# Allegro board 600-90698-01_CYW9BTAUDIO3_REV1.0.brd (continued)
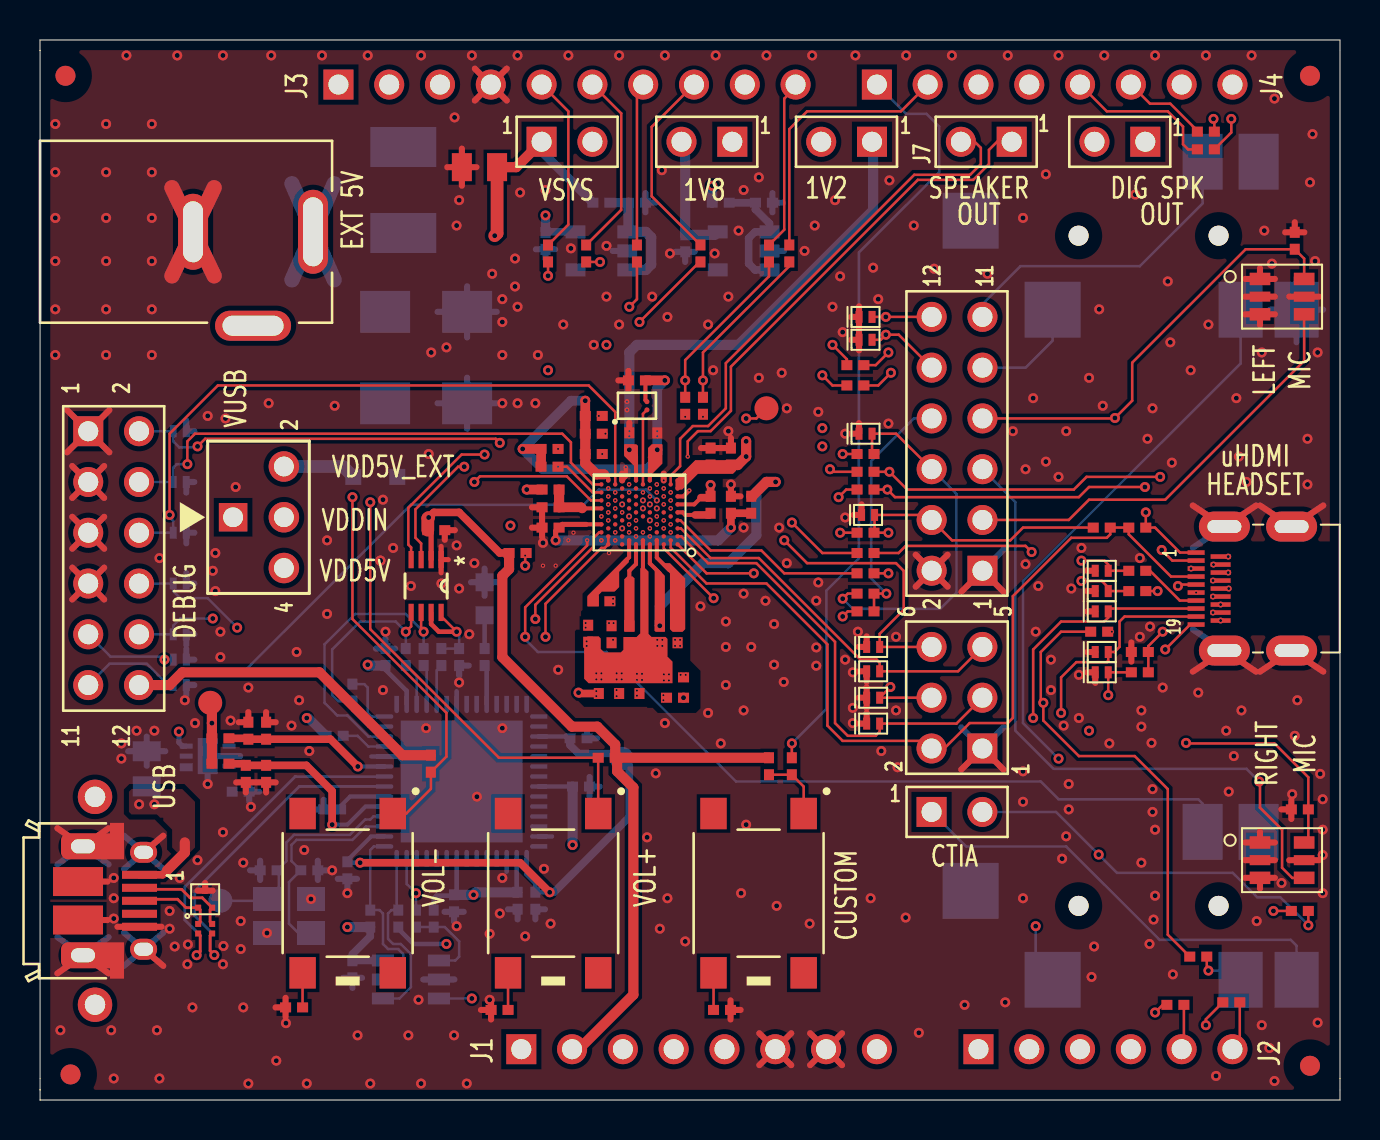
[diagram p0: board, top side]
## Nets (continued)
N16865088: F1.1 J13.1(CENTER)
N16865123: D21.A D22.C(CATHODE) D23.C(CATHODE) F1.2
N17040368: C32.1 R41.1 U5.1(VIN) U5.3(CE)
N17094850: C33.1 J16.2 U5.5(VOUT)
N17125354: J4.1 R26.1
N17128176: C34.1 R40.1 U4.1(VIN) U4.3(CE)
N17128180: C31.1 J15.2 U4.5(VOUT)
N17297536: J3.6 R21.1
N17297608: J4.5 R58.1
N17297618: J4.6 R33.1
N17375327: C4.1 R1.1 U1.K12(FLLVDD)
N17376267: C1.1 U1.B4(MICVDD)
N17376409: C9.1 C10.1 L1.2 U1.F12(AVDD2) U1.K2(AVDD1)
N17377542: C14.2 U1.E5(CP1C1A)
N17377545: C14.1 U1.D6(CP1C1B)
N17377567: C15.2 U1.C5(CP1C2A)
N17377569: C15.1 U1.B8(CP1C2B)
N17377601: C19.2 U1.E7(CP1VOUT1N)
N17377614: C20.2 U1.F8(CP1VOUT1P)
N17377656: C22.2 U1.A7(CP1VOUT2N)
N17377662: C23.2 U1.D8(CP1VOUT2P)
N17377670: C24.2 U1.F4(CP2VOUT)
N17378348: C26.2 U1.J1(VREFC)
N17378366: C17.2 U1.G7(CP2CA)
N17378368: C17.1 U1.G5(CP2CB)
N17378853: C5.2 U1.G3(IN1ALP)
N17378956: C13.2 U1.D2(IN1ARP)
N17378965: C16.2 U1.L3(IN1BLP)
N17378974: C18.2 U1.G1(IN1BRP)
N17378991: C21.2 U1.K4(IN2LP)
N17379000: C25.2 U1.F2(IN2RP)
N17385711: J5.13 R18.1
N17385713: J5.14 R17.1
N17385715: J5.18 R15.1 R16.1
N17400454: J18.2(DM) R48.1 U9.2(D-)
N17400456: J18.3(DP) R49.1 U9.1(D+)
N17400538: C36.2 C38.1 L3.2 U7.5(VPHY)
N17400544: C35.2 C37.1 L2.2 U7.9(VPLL)
N17400572: R54.2 U7.11(RESET#)
N17400576: R50.2 U7.6(REF)
N17400609: C51.1 U7.3(OSCI) Y1.1
N17400615: C52.1 TP5.1 U7.4(OSCO) Y1.3
N17400653: R51.1 R55.1 U10.1(DO)
N17400702: C46.2 R46.2 U8.7(VREF2) U8.8(EN2)
N17413060: R35.2 SW1.1(A)
N17413180: R38.2 SW2.1(A)
N17413302: R39.2 SW3.1(A)
N17418596: J2.3 R19.1
N17427442: J10.1 J19.1
N17429138: R7.2 U1.R5(AIF3BCLK/GPIO2)
N17429141: R8.2 U1.N5(AIF3LRCLK/GPIO4)
N17466599: D25.A(ANODE) R47.2
N17564941: J3.7 R23.1
N17565207: J3.8 R24.1
N17565342: J2.6 R32.1
N17565529: J2.4 R22.1
N17565615: J2.5 R30.1
N17565667: J4.2 R27.1
N17565721: J3.10 R25.1
N17565736: J3.5 R20.1

Pads without a net: J1 1 4 8; J2 1 2; J3 1 2 3 9; J4 3 4 7 8; J9 5 6; J10 5 6; J13 3; J18 4; SW1 2 3; SW2 2 3; SW3 2 3; U1 A9 C3 C9 D4 E11 F10 G9 H2 H6 H10 J3 J5 J7 K8 L7 M8 N7 N9 R7 R9; U4 4; U5 4; U6 2 4; U7 15 20 22 23 25 26 27 28 29 30 32 33 34 35 37 38 39 40 42 46 47 48 49 51 52 53 54

## Via types
v1: diameter 0.5, hole 0.25, TOP to BOTTOM, 442 vias
v2: diameter 0.22, hole 0.1, TOP to L02_SIG, 109 vias
v3: diameter 0.22, hole 0.1, L02_SIG to L03_SIG, 99 vias
v4: diameter 0.3, hole 0.15, TOP to BOTTOM, 19 vias

## Routing (per net, layer and track width the routed paths; a pad name or vN(x,y) marks a point on that pad's centre or on a via; arc(x,y) is an arc through that point)
3V3: length 29.4
  TOP w0.508: L3.1 L2.1 v1(8.6,18.86) 8.6,19.79 TP4.1
  BOTTOM w0.203: U7.36 26.63,15.69 C42.1
  BOTTOM w0.229: U7.50 20.83,10.4 C43.1 20.66,10.22 19.82,10.22 19.69,10.09 R51.2 ; U7.44 23.83,10.44 C44.1 ; C41.1 17.28,21.52 18.33,20.46 U7.16 ; R52.2 17.91,8.57 18.67,7.81 v1(20.32,7.81)
  BOTTOM w0.254: U6.3 7.12,17.71 6.94,17.89 v1(6.94,18.43)
  BOTTOM w0.381: U10.6 15.64,6.98 C50.1 15.62,7.3 16.51,8.19 R53.2
  BOTTOM w0.457: v1(13.34,19.11) 13.42,19.11 R54.1
  BOTTOM w0.508: C41.1 16.43,21.73 v1(16.39,21.78) ; v1(26.63,12.76) C42.1 ; C44.1 21.8,10.39 v1(21.68,10.27) C43.1 ; v1(15.37,8.65) R53.2
GND: length 897.5
  TOP w0.127: v1(58.42,6.47) 58.34,6.56 R56.1
  TOP w0.152: 30.15,26.4 30.15,22.97 30.06,22.88 C22.1
  TOP w0.203: U1.N1 32.17,30.2 v2(32.46,30.49) ; U1.B6 30.15,26.4 ; v3(29.29,31.66) 29.29,31.18 U1.U9 ; 33.05,30.14 32.71,29.8 U1.L1
  TOP w0.254: U8.1 20.06,27.7 ; U8.1 20.06,26.38 ; U8.1 20.41,27.04
  TOP w0.305: 22.55,4.03 R35.1 ; R35.1 22.05,4.51 ; R35.1 22.55,4.99 ; 34.53,4.03 R38.1 ; R38.1 35.03,4.51 ; R38.1 34.53,4.99 ; 25.11,29.17 C4.2 24.6,29.65 ; 35.97,1.75 J1.6 ; J1.6 37.56,3.34 ; J1.6 37.56,1.75 ; J1.6 35.97,3.34 ; 60.26,11.12 MIC1.3 ; MIC1.3 61.75,11.12 ; MIC1.3 61,10.58 ; 61,21.43 J5.M3 64.16,21.43 ; J3.4 23.34,51.6 ; J3.4 21.74,51.6 ; J3.4 21.74,50.01 ; J3.4 23.34,50.01 ; MIC1.1 61,13.42 ; MIC1.1 61.75,12.88 ; MIC1.1 60.26,12.88 ; 1.61,27.58 J12.5 ; J12.5 3.21,27.58 ; J12.5 3.21,29.18 ; J12.5 1.61,29.18 ; 41.33,20.92 D4.1 40.93,21.45 ; 0.87,6.34 J18.SH4 3.43,6.34 ; J1.7 40.1,1.75 ; J1.7 38.51,1.75 ; J1.7 38.51,3.34 ; J1.7 40.1,3.34 ; J12.3 3.21,31.72 ; J12.3 1.61,30.12 ; J12.3 3.21,30.12 ; J12.3 1.61,31.72 ; 46.06,16.53 J8.1 48.18,16.53 ; J18.SH1 6.16,13.22 ; 21.09,45.74 C30.2 ; C30.2 20.36,46.67 ; C30.2 21.82,46.67 ; C30.2 21.09,47.6 ; 0.87,13.6 J18.SH3 3.43,13.6 ; 60.26,39.31 MIC2.3 ; MIC2.3 61,38.77 ; MIC2.3 61.75,39.31 ; 63.96,12 MIC1.5 62.46,12 ; 60.26,41.08 MIC2.1 ; MIC2.1 61.75,41.08 ; MIC2.1 61,41.62 ; 11.31,15.39 C38.2 ; C38.2 11.79,15.89 ; C38.2 10.83,15.89 ; 34.07,32.62 C12.2 34.55,33.12 ; 1.61,26.64 J12.7 ; J12.7 3.21,26.64 ; J12.7 3.21,25.04 ; J12.7 1.61,25.04 ; C28.2 62.74,43.92 ; C28.2 62.26,43.41 ; C28.2 63.22,43.41 ; 3.87,8.67 J18.5 6.08,8.67 ; 41.08,29.8 D8.1 40.68,29.27 ; 48.18,25.42 J6.1 46.07,25.42 ; C36.1 10.77,15.89 ; C36.1 9.81,15.89 ; C36.1 10.29,15.39 ; 33.05,32.62 C11.2 34.01,32.62 ; 29.42,35.52 C27.2 ; C27.2 28.92,36 ; C27.2 29.42,36.48 ; 9.94,18.9 C35.1 10.42,19.41 ; 12.28,4.15 R39.1 ; R39.1 12.28,5.11 ; R39.1 11.78,4.63 ; U1.U9 29.11,31.34 ; 35.03,30.2 C9.2 34.55,30.71 ; 41.33,19.6 D2.1 ; D2.1 40.93,20.13 ; D2.1 41.33,20.66 ; D5.1 40.95,39.71 ; D5.1 40.55,39.18 ; D5.1 40.95,38.65 ; 1.36,32.4 J12.1 ; J12.1 3.47,32.4 ; J12.1 1.36,34.52 ; J12.1 3.47,34.52 ; 52.36,22.41 D10.1 ; 41.33,19.36 D3.1 40.93,18.83 ; 11.79,18.9 C37.2 11.31,19.41 ; 54.57,22.89 R15.2 54.57,21.93 ; 43.79,27.28 J6.2 ; J6.2 45.38,25.68 ; J6.2 45.38,27.28 ; J6.2 43.79,25.68 ; 61.75,12 MIC1.2 60.26,12 ; 60.8,29.74 J5.M2 57.64,29.74 ; v2(31.19,31) 31.19,31.34 ; 52.76,20.87 D13.1 52.36,21.4 ; U9.3 8.26,10.85 ; U9.3 7.88,10.47 ; U9.3 8.64,10.47 ; 41.33,23.2 D1.1 40.93,22.67 ; D6.1 40.95,38.56 ; D6.1 40.55,38.03 ; D6.1 40.95,37.51 ; 20.24,28.03 C47.2 20.74,28.51 ; 25.11,28.16 C10.2 ; C10.2 24.6,28.64 ; C10.2 25.11,29.12 ; 62.57,14.06 C29.2 ; C29.2 62.07,14.54 ; C29.2 62.57,15.02 ; 60.26,40.19 MIC2.2 61.75,40.19 ; 40.55,33.34 D7.1 40.95,33.86 ; 63.96,40.19 MIC2.5 62.46,40.19 ; 60.8,21.43 J5.M1 57.64,21.43 ; 52.36,24.45 D9.1 ; 52.36,25.46 D12.1 ; 52.36,26.48 D11.1 ; 61,29.74 J5.M4 64.16,29.74 ; J18.SH5 3.38,9.01 ; C3.2 29.47,33.88 ; J18.SH6 3.38,10.93 ; J18.SH2 6.16,6.71
  TOP w0.381: v1(33.53,30.77) C26.1 33.46,30.14 33.05,30.14
  TOP w0.762: J13.2 8.71,41.23 ; J13.2 6.6,41.23 ; J13.2 8.71,45.64 ; J13.2 6.6,45.64
  L02_SIG w0.305: J1.6 37.56,3.34 ; J1.6 35.97,1.75 ; J1.6 37.56,1.75 ; J1.6 35.97,3.34 ; 4.2,13.22 J18.SH1 ; J18.SH1 6.16,13.22 ; J18.SH1 6.16,11.56 ; J18.SH1 4.2,11.56 ; 4.2,6.71 J18.SH2 ; J18.SH2 6.16,8.37 ; J18.SH2 6.16,6.71 ; J18.SH2 4.2,8.37 ; 57.64,21.43 J5.M1 ; J5.M1 57.64,23.54 ; J5.M1 60.8,21.43 ; 21.74,51.6 J3.4 ; J3.4 23.34,50.01 ; J3.4 21.74,50.01 ; J3.4 23.34,51.6 ; 38.51,1.75 J1.7 ; J1.7 38.51,3.34 ; J1.7 40.1,1.75 ; J1.7 40.1,3.34 ; J12.3 3.21,31.72 ; J12.3 1.61,30.12 ; J12.3 1.61,31.72 ; J12.3 3.21,30.12 ; 43.79,27.28 J6.2 ; J6.2 43.79,25.68 ; J6.2 45.38,25.68 ; J6.2 45.38,27.28 ; 61,29.74 J5.M4 64.16,29.74 ; J6.1 47.92,25.68 ; J6.1 46.33,25.68 ; J6.1 47.92,27.28 ; J6.1 46.33,27.28 ; 64.16,21.43 J5.M3 61,21.43 ; J18.SH4 3.43,6.34 ; J18.SH4 3.43,8.15 ; J18.SH4 0.87,8.15 ; J18.SH4 0.87,6.34 ; J12.5 3.21,27.58 ; J12.5 1.61,29.18 ; J12.5 1.61,27.58 ; J12.5 3.21,29.18 ; 57.64,27.63 J5.M2 ; J5.M2 57.64,29.74 ; J5.M2 60.8,29.74 ; 1.61,32.66 J12.1 ; J12.1 1.61,34.26 ; J12.1 3.21,34.26 ; J12.1 3.21,32.66 ; 1.61,25.04 J12.7 ; J12.7 3.21,26.64 ; J12.7 3.21,25.04 ; J12.7 1.61,26.64 ; 46.32,18.38 J8.1 ; J8.1 47.92,16.79 ; J8.1 47.92,18.38 ; J8.1 46.32,16.79 ; 0.87,13.6 J18.SH3 ; J18.SH3 0.87,11.79 ; J18.SH3 3.43,13.6 ; J18.SH3 3.43,11.79
  L02_SIG w0.762: 6.6,45.64 J13.2 ; J13.2 6.6,41.23 ; J13.2 8.71,45.64 ; J13.2 8.71,41.23
  L03_SIG w0.127: v4(58.65,24.39) 55.31,24.39 54.35,23.43 v3(53.6,23.43)
  L03_SIG w0.305: 21.74,50.01 J3.4 ; J3.4 23.34,50.01 ; J3.4 21.74,51.6 ; J3.4 23.34,51.6 ; J1.7 40.1,1.75 ; J1.7 38.51,3.34 ; J1.7 40.1,3.34 ; J1.7 38.51,1.75 ; J8.1 47.92,16.79 ; J8.1 47.92,18.38 ; J8.1 46.32,18.38 ; J8.1 46.32,16.79 ; 1.61,34.26 J12.1 ; J12.1 1.61,32.66 ; J12.1 3.21,32.66 ; J12.1 3.21,34.26 ; 1.61,30.12 J12.3 ; J12.3 3.21,30.12 ; J12.3 3.21,31.72 ; J12.3 1.61,31.72 ; J12.5 3.21,29.18 ; J12.5 1.61,29.18 ; J12.5 1.61,27.58 ; J12.5 3.21,27.58 ; J5.M2 60.8,29.74 ; J5.M2 57.64,27.63 ; J5.M2 57.64,29.74 ; 57.64,23.54 J5.M1 ; J5.M1 60.8,21.43 ; J5.M1 57.64,21.43 ; J6.1 47.92,25.68 ; J6.1 46.33,27.28 ; J6.1 46.33,25.68 ; J6.1 47.92,27.28 ; 35.97,1.75 J1.6 ; J1.6 37.56,1.75 ; J1.6 37.56,3.34 ; J1.6 35.97,3.34 ; J18.SH3 3.43,13.6 ; J18.SH3 0.87,13.6 ; J18.SH3 3.43,11.79 ; J18.SH3 0.87,11.79 ; J18.SH1 6.16,13.22 ; J18.SH1 4.2,11.56 ; J18.SH1 6.16,11.56 ; J18.SH1 4.2,13.22 ; J18.SH4 3.43,6.34 ; J18.SH4 3.43,8.15 ; J18.SH4 0.87,6.34 ; J18.SH4 0.87,8.15 ; 64.16,21.43 J5.M3 61,21.43 ; 43.79,27.28 J6.2 ; J6.2 43.79,25.68 ; J6.2 45.38,27.28 ; J6.2 45.38,25.68 ; 1.61,25.04 J12.7 ; J12.7 3.21,26.64 ; J12.7 3.21,25.04 ; J12.7 1.61,26.64 ; 64.16,29.74 J5.M4 61,29.74 ; J18.SH2 6.16,8.37 ; J18.SH2 4.2,6.71 ; J18.SH2 4.2,8.37 ; J18.SH2 6.16,6.71
  L03_SIG w0.762: 6.6,45.64 J13.2 ; J13.2 6.6,41.23 ; J13.2 8.71,45.64 ; J13.2 8.71,41.23
  L04_SIG w0.305: 35.97,1.75 J1.6 ; J1.6 37.56,1.75 ; J1.6 35.97,3.34 ; J1.6 37.56,3.34 ; 38.51,3.34 J1.7 ; J1.7 40.1,1.75 ; J1.7 38.51,1.75 ; J1.7 40.1,3.34 ; 57.64,23.54 J5.M1 ; J5.M1 60.8,21.43 ; J5.M1 57.64,21.43 ; 43.79,25.68 J6.2 ; J6.2 45.38,27.28 ; J6.2 45.38,25.68 ; J6.2 43.79,27.28 ; J12.7 3.21,25.04 ; J12.7 1.61,25.04 ; J12.7 3.21,26.64 ; J12.7 1.61,26.64 ; J18.SH2 6.16,6.71 ; J18.SH2 4.2,8.37 ; J18.SH2 6.16,8.37 ; J18.SH2 4.2,6.71 ; J12.1 3.21,32.66 ; J12.1 1.61,34.26 ; J12.1 1.61,32.66 ; J12.1 3.21,34.26 ; 61,29.74 J5.M4 64.16,29.74 ; J18.SH3 3.43,11.79 ; J18.SH3 0.87,11.79 ; J18.SH3 3.43,13.6 ; J18.SH3 0.87,13.6 ; 1.61,29.18 J12.5 ; J12.5 3.21,27.58 ; J12.5 1.61,27.58 ; J12.5 3.21,29.18 ; 46.32,16.79 J8.1 ; J8.1 47.92,16.79 ; J8.1 47.92,18.38 ; J8.1 46.32,18.38 ; J18.SH4 3.43,6.34 ; J18.SH4 3.43,8.15 ; J18.SH4 0.87,8.15 ; J18.SH4 0.87,6.34 ; 57.64,29.74 J5.M2 ; J5.M2 60.8,29.74 ; J5.M2 57.64,27.63 ; 46.33,25.68 J6.1 ; J6.1 47.92,25.68 ; J6.1 46.33,27.28 ; J6.1 47.92,27.28 ; 1.61,30.12 J12.3 ; J12.3 3.21,30.12 ; J12.3 1.61,31.72 ; J12.3 3.21,31.72 ; 61,21.43 J5.M3 64.16,21.43 ; J18.SH1 6.16,13.22 ; J18.SH1 4.2,11.56 ; J18.SH1 6.16,11.56 ; J18.SH1 4.2,13.22 ; 21.74,50.01 J3.4 ; J3.4 21.74,51.6 ; J3.4 23.34,51.6 ; J3.4 23.34,50.01
  L04_SIG w0.762: 6.6,45.64 J13.2 ; J13.2 8.71,41.23 ; J13.2 6.6,41.23 ; J13.2 8.71,45.64
  L05_SIG w0.305: J8.1 47.92,18.38 ; J8.1 46.32,16.79 ; J8.1 46.32,18.38 ; J8.1 47.92,16.79 ; J18.SH4 3.43,6.34 ; J18.SH4 3.43,8.15 ; J18.SH4 0.87,6.34 ; J18.SH4 0.87,8.15 ; J5.M2 60.8,29.74 ; J5.M2 57.64,27.63 ; J5.M2 57.64,29.74 ; 64.16,29.74 J5.M4 61,29.74 ; J1.6 37.56,1.75 ; J1.6 35.97,1.75 ; J1.6 35.97,3.34 ; J1.6 37.56,3.34 ; 1.61,29.18 J12.5 ; J12.5 1.61,27.58 ; J12.5 3.21,29.18 ; J12.5 3.21,27.58 ; 21.74,51.6 J3.4 ; J3.4 23.34,51.6 ; J3.4 21.74,50.01 ; J3.4 23.34,50.01 ; 1.61,30.12 J12.3 ; J12.3 3.21,31.72 ; J12.3 3.21,30.12 ; J12.3 1.61,31.72 ; 1.61,26.64 J12.7 ; J12.7 1.61,25.04 ; J12.7 3.21,25.04 ; J12.7 3.21,26.64 ; J12.1 3.21,34.26 ; J12.1 1.61,34.26 ; J12.1 1.61,32.66 ; J12.1 3.21,32.66 ; J6.1 47.92,27.28 ; J6.1 46.33,27.28 ; J6.1 47.92,25.68 ; J6.1 46.33,25.68 ; J18.SH1 6.16,11.56 ; J18.SH1 4.2,13.22 ; J18.SH1 4.2,11.56 ; J18.SH1 6.16,13.22 ; 0.87,11.79 J18.SH3 ; J18.SH3 3.43,13.6 ; J18.SH3 0.87,13.6 ; J18.SH3 3.43,11.79 ; 61,21.43 J5.M3 64.16,21.43 ; J6.2 45.38,25.68 ; J6.2 43.79,27.28 ; J6.2 43.79,25.68 ; J6.2 45.38,27.28 ; 38.51,1.75 J1.7 ; J1.7 38.51,3.34 ; J1.7 40.1,1.75 ; J1.7 40.1,3.34 ; 4.2,8.37 J18.SH2 ; J18.SH2 6.16,6.71 ; J18.SH2 6.16,8.37 ; J18.SH2 4.2,6.71 ; 57.64,21.43 J5.M1 ; J5.M1 60.8,21.43 ; J5.M1 57.64,23.54
  L05_SIG w0.762: J13.2 8.71,41.23 ; J13.2 6.6,45.64 ; J13.2 8.71,45.64 ; J13.2 6.6,41.23
  L06_SIG w0.305: 43.79,27.28 J6.2 ; J6.2 45.38,27.28 ; J6.2 45.38,25.68 ; J6.2 43.79,25.68 ; 46.33,25.68 J6.1 ; J6.1 47.92,27.28 ; J6.1 46.33,27.28 ; J6.1 47.92,25.68 ; 1.61,32.66 J12.1 ; J12.1 3.21,34.26 ; J12.1 3.21,32.66 ; J12.1 1.61,34.26 ; J18.SH1 6.16,11.56 ; J18.SH1 4.2,13.22 ; J18.SH1 4.2,11.56 ; J18.SH1 6.16,13.22 ; 57.64,29.74 J5.M2 60.8,29.74 ; J1.6 37.56,1.75 ; J1.6 35.97,1.75 ; J1.6 35.97,3.34 ; J1.6 37.56,3.34 ; J18.SH2 6.16,6.71 ; J18.SH2 4.2,6.71 ; J18.SH2 4.2,8.37 ; J18.SH2 6.16,8.37 ; J8.1 47.92,16.79 ; J8.1 47.92,18.38 ; J8.1 46.32,18.38 ; J8.1 46.32,16.79 ; 1.61,26.64 J12.7 ; J12.7 3.21,26.64 ; J12.7 3.21,25.04 ; J12.7 1.61,25.04 ; J18.SH3 3.43,11.79 ; J18.SH3 0.87,13.6 ; J18.SH3 3.43,13.6 ; J18.SH3 0.87,11.79 ; J18.SH4 3.43,8.15 ; J18.SH4 0.87,6.34 ; J18.SH4 0.87,8.15 ; J18.SH4 3.43,6.34 ; J12.5 3.21,27.58 ; J12.5 1.61,29.18 ; J12.5 3.21,29.18 ; J12.5 1.61,27.58 ; J1.7 40.1,1.75 ; J1.7 38.51,1.75 ; J1.7 40.1,3.34 ; J1.7 38.51,3.34 ; 61,21.43 J5.M3 64.16,21.43 ; 57.64,21.43 J5.M1 60.8,21.43 ; J12.3 3.21,31.72 ; J12.3 1.61,30.12 ; J12.3 3.21,30.12 ; J12.3 1.61,31.72 ; J3.4 23.34,51.6 ; J3.4 23.34,50.01 ; J3.4 21.74,51.6 ; J3.4 21.74,50.01 ; 61,29.74 J5.M4 64.16,29.74
  L06_SIG w0.762: 6.6,41.23 J13.2 ; J13.2 8.71,41.23 ; J13.2 6.6,45.64 ; J13.2 8.71,45.64
  L07-SIG w0.305: J12.7 3.21,26.64 ; J12.7 3.21,25.04 ; J12.7 1.61,26.64 ; J12.7 1.61,25.04 ; 64.16,21.43 J5.M3 61,21.43 ; J12.5 3.21,27.58 ; J12.5 1.61,27.58 ; J12.5 1.61,29.18 ; J12.5 3.21,29.18 ; J18.SH2 6.16,6.71 ; J18.SH2 4.2,8.37 ; J18.SH2 4.2,6.71 ; J18.SH2 6.16,8.37 ; 35.97,3.34 J1.6 ; J1.6 37.56,1.75 ; J1.6 35.97,1.75 ; J1.6 37.56,3.34 ; J6.2 45.38,25.68 ; J6.2 43.79,27.28 ; J6.2 43.79,25.68 ; J6.2 45.38,27.28 ; J18.SH1 6.16,13.22 ; J18.SH1 6.16,11.56 ; J18.SH1 4.2,11.56 ; J18.SH1 4.2,13.22 ; 46.32,16.79 J8.1 ; J8.1 46.32,18.38 ; J8.1 47.92,16.79 ; J8.1 47.92,18.38 ; J1.7 40.1,1.75 ; J1.7 40.1,3.34 ; J1.7 38.51,1.75 ; J1.7 38.51,3.34 ; 0.87,8.15 J18.SH4 ; J18.SH4 3.43,8.15 ; J18.SH4 3.43,6.34 ; J18.SH4 0.87,6.34 ; J18.SH3 3.43,11.79 ; J18.SH3 3.43,13.6 ; J18.SH3 0.87,11.79 ; J18.SH3 0.87,13.6 ; J5.M1 60.8,21.43 ; J5.M1 57.64,23.54 ; J5.M1 57.64,21.43 ; 1.61,32.66 J12.1 ; J12.1 1.61,34.26 ; J12.1 3.21,32.66 ; J12.1 3.21,34.26 ; 46.33,25.68 J6.1 ; J6.1 46.33,27.28 ; J6.1 47.92,27.28 ; J6.1 47.92,25.68 ; J3.4 23.34,50.01 ; J3.4 23.34,51.6 ; J3.4 21.74,51.6 ; J3.4 21.74,50.01 ; J12.3 3.21,30.12 ; J12.3 1.61,31.72 ; J12.3 1.61,30.12 ; J12.3 3.21,31.72 ; 64.16,29.74 J5.M4 61,29.74 ; 57.64,29.74 J5.M2 ; J5.M2 57.64,27.63 ; J5.M2 60.8,29.74
  L07-SIG w0.762: J13.2 8.71,45.64 ; J13.2 6.6,45.64 ; J13.2 8.71,41.23 ; J13.2 6.6,41.23
  BOTTOM w0.127: J10.4 59.57,6.47 v1(58.42,6.47)
  BOTTOM w0.229: U7.45 23.33,11.43 ; 16.57,17.19 U7.10 17.91,17.19 19.16,15.94 U7.57 21.09,18.22 20.83,18.47 U7.21 20.83,20.45 ; U7.41 25.6,13.19
  BOTTOM w0.305: 61.5,39.54 J9.1 ; J9.1 62.83,41.17 ; J9.1 62.83,37.91 ; J9.1 64.16,39.54 ; 5.34,16.72 C48.2 ; C48.2 4.41,17.45 ; C48.2 5.34,18.18 ; C48.2 6.27,17.45 ; C32.2 36.62,45.37 ; C32.2 37.13,44.89 ; C32.2 36.62,44.41 ; 31.78,42.44 C33.2 ; C33.2 32.74,42.44 ; C33.2 32.26,41.93 ; C34.2 30.27,45.37 ; C34.2 30.27,44.41 ; C34.2 30.78,44.89 ; C51.2 14.39,11.49 ; C51.2 13.89,11.97 ; C51.2 13.89,11.01 ; J12.1 3.47,32.4 ; J12.1 1.36,32.4 ; J12.1 3.47,34.52 ; J12.1 1.36,34.52 ; J18.SH3 3.43,13.6 ; J18.SH3 0.87,13.6 ; J18.SH3 0.87,11.79 ; J18.SH3 3.43,11.79 ; 48.18,27.54 J6.1 48.18,25.42 ; D25.C 22.91,25.91 ; D25.C 21.55,25.91 ; D25.C 22.23,26.59 ; D25.C 22.23,25.23 ; J18.SH1 6.16,13.22 ; J18.SH1 4.2,13.22 ; J18.SH1 4.2,11.56 ; J18.SH1 6.16,11.56 ; 27.48,15.2 C42.2 ; C42.2 27.98,15.68 ; C42.2 27.48,16.16 ; 43.79,25.68 J6.2 ; J6.2 45.38,27.28 ; J6.2 45.38,25.68 ; J6.2 43.79,27.28 ; 1.61,30.12 J12.3 ; J12.3 3.21,31.72 ; J12.3 1.61,31.72 ; J12.3 3.21,30.12 ; 57.64,21.43 J5.M1 ; J5.M1 57.64,23.54 ; J5.M1 60.8,21.43 ; D22.A 21.36,40.71 ; D22.A 21.36,38.15 ; D22.A 22.84,39.43 ; D22.A 19.88,39.43 ; 19.88,34.86 D23.A ; D23.A 22.84,34.86 ; D23.A 21.36,36.14 ; D23.A 21.36,33.58 ; 20.72,6.03 U10.2 19.17,6.03 ; 25.25,9.54 C49.1 24.77,9.04 ; 57.64,29.74 J5.M2 ; J5.M2 57.64,27.63 ; J5.M2 60.8,29.74 ; 35.97,3.34 J1.6 ; J1.6 35.97,1.75 ; J1.6 37.56,1.75 ; J1.6 37.56,3.34 ; 14.89,11.07 C39.2 ; C39.2 15.85,11.07 ; C39.2 15.37,10.56 ; C43.2 21.18,9.42 ; C43.2 20.23,9.42 ; C43.2 20.7,8.91 ; J18.SH2 6.16,8.37 ; J18.SH2 4.2,8.37 ; J18.SH2 6.16,6.71 ; J18.SH2 4.2,6.71 ; J12.5 3.21,27.58 ; J12.5 1.61,29.18 ; J12.5 1.61,27.58 ; J12.5 3.21,29.18 ; 46.06,16.53 J8.1 ; J8.1 48.18,16.53 ; J8.1 46.06,18.64 ; J8.1 48.18,18.64 ; 61,21.43 J5.M3 64.16,21.43 ; C41.2 17.75,22.58 ; C41.2 16.8,22.58 ; C41.2 17.28,23.09 ; 10.5,11.49 C52.2 ; C52.2 11.01,11.97 ; C52.2 11.01,11.01 ; 7.31,27.85 D18.1 ; D18.1 7.31,28.91 ; D18.1 7.72,28.38 ; 61,29.74 J5.M4 64.16,29.74 ; 7.31,22.77 D16.1 7.72,23.3 ; C31.2 25.76,42.56 ; C31.2 24.8,42.56 ; C31.2 25.28,42.06 ; 7.31,22.56 D14.1 7.72,22.03 ; 7.31,33.99 D20.1 7.72,33.46 ; 20.96,21.23 C46.1 21.44,21.73 ; 15.62,5.61 C50.2 ; C50.2 16.1,6.11 ; C50.2 15.15,6.11 ; 10.01,17.21 U6.5 8.9,17.21 ; 13.68,14.54 R50.1 14.18,15.02 ; J3.4 23.34,51.6 ; J3.4 21.74,50.01 ; J3.4 23.34,50.01 ; J3.4 21.74,51.6 ; 7.72,20.76 D15.1 7.31,20.23 ; J12.7 3.21,26.64 ; J12.7 1.61,25.04 ; J12.7 3.21,25.04 ; J12.7 1.61,26.64 ; J18.SH4 3.43,6.34 ; J18.SH4 3.43,8.15 ; J18.SH4 0.87,6.34 ; J18.SH4 0.87,8.15 ; 10.46,14.94 C45.2 ; C45.2 10.97,15.42 ; C45.2 10.46,15.9 ; 23.88,9.04 C44.2 23.4,9.54 ; 27.86,18.1 C40.2 27.35,18.57 ; J1.7 40.1,1.75 ; J1.7 38.51,3.34 ; J1.7 40.1,3.34 ; J1.7 38.51,1.75 ; 28.64,42.48 U4.2 ; v1(8.39,15.81) U6.H ; 7.72,30.92 D19.1 7.31,30.39 ; 7.31,26.37 D17.1 7.72,25.84 ; U5.2 37.21,42.48
  BOTTOM w0.762: 6.6,41.23 J13.2 ; J13.2 8.71,45.64 ; J13.2 8.71,41.23 ; J13.2 6.6,45.64
  vias: v1(0.77,48.83) v1(0.77,46.42) v1(0.77,44.13) v1(0.77,41.97) v1(0.77,39.56) v1(0.77,37.27) v1(1.02,3.49) v1(3.31,48.83) v1(3.31,46.42) v1(3.31,44.13) v1(3.31,41.97) v1(3.31,39.56) v1(3.31,37.27) v1(3.56,3.49) v1(3.69,11.11) v1(3.69,10.09) v1(3.69,9.08) v1(3.69,1.08) v1(4.07,17.84) v1(4.07,17.08) v1(4.32,52.26) v1(4.83,18.48) v1(5.59,48.83) v1(5.59,46.42) v1(5.59,44.13) v1(5.59,41.97) v1(5.59,39.56) v1(5.59,37.27) v1(5.72,18.48) v1(5.85,3.49) v1(5.97,27.11) v1(5.97,1.08) v1(6.48,9.46) v1(6.48,8.57) v1(6.73,7.68) v1(6.86,52.26) v1(6.99,11.11) v1(7.24,20) v1(7.39,7.78) v1(7.37,6.79) v1(7.62,4.63) v1(7.75,18.86) v1(7.88,12) v1(8.39,34.22) v1(8.64,26.48) v1(8.77,27.37) v1(8.77,25.46) v1(9.02,23.43) v1(9.02,22.16) v1(9.15,52.26) v1(9.15,13.4) v1(9.15,6.79) v1(9.17,7.71) v1(9.27,34.1) v1(9.53,18.98) v1(9.78,30.67) v1(10.04,8.95) v1(10.04,7.55) v1(10.16,11.87) v1(10.16,4.63) v1(10.42,20.64) v1(10.42,0.82) v1(10.54,14.67) v1(11.35,8.36) v1(11.43,34.86) v1(11.56,52.26) v1(11.81,1.97) v1(12.3,3.85) v1(12.58,18.73) v1(12.83,22.41) v1(12.96,20) v1(13.21,12.51) v1(13.34,0.82) v1(13.47,17.46) v1(13.55,10.06) v1(14.1,52.26) v1(14.35,28) v1(14.35,24.32) v1(14.61,11.49) v1(14.74,34.73) v1(15.37,10.35) v1(15.88,3.24) v1(16.39,52.26) v1(16.51,0.82) v1(17.02,26.99) v1(17.02,26.99) v1(17.15,30.03) v1(17.15,20.51) v1(17.28,23.43) v1(17.66,27.62) v1(18.42,3.24) v1(18.55,25.72) v1(18.93,5.01) v1(19.05,52.26) v1(19.05,0.82) v1(19.31,18.6) v1(19.43,32.32) v1(19.56,37.4) v1(20.07,25.84) v1(20.32,37.65) v1(20.73,49.16) v1(20.7,3.24) v1(20.83,43.75) v1(20.83,27.75) v1(20.83,8.7) v1(20.96,45.02) v1(20.96,25.59) v1(20.96,20.89) v1(21.34,0.82) v1(21.47,23.3) v1(21.59,52.26) v1(21.72,26.86) v1(21.85,15.17) v1(22.48,8.32) v1(22.48,5.01) v1(22.61,41.34) v1(22.99,9.33) v1(23.12,40.07) v1(23.12,38.92) v1(23.12,37.27) v1(23.12,34.86) v1(23.12,18.6) v1(23.12,11.11) v1(23.75,42.1) v1(23.75,40.7) v1(23.88,52.26) v1(23.88,39.69) v1(23.88,34.86) v1(24.01,45.4) v1(24.26,8.19) v1(24.77,34.86) v1(24.9,37.27) v1(25.15,27.87) v1(25.2,11.57) v1(25.28,45.53) v1(25.53,8.82) v1(25.91,21.52) v1(26.17,38.8) v1(26.42,52.26) v1(26.55,42.61) v1(27.69,37.78) v1(28.32,42.73) v1(28.32,40.19) v1(28.96,52.26) v1(28.96,38.8) v1(30.36,13.14) v1(30.61,40.19) v1(30.79,16.34) v1(30.99,8.57) v1(31.09,46.52) v1(31.25,52.26) v1(31.25,18.86) v1(31.37,39.18) v1(31.37,10.09) v1(31.5,42.35) v1(32.26,7.94) v1(33.02,24.7) v1(33.4,38.8) v1(33.4,19.37) v1(33.73,42.35) v1(33.66,36.51) v1(33.79,52.26) v1(34.04,17.84) v1(34.29,23.94) v1(34.29,22.67) v1(34.29,20.76) v1(34.42,40.19) v1(34.42,33.46) v1(34.55,30.8) v1(34.93,43.5) v1(35.06,10.35) v1(35.18,45.53) v1(35.18,28.64) v1(35.18,25.33) v1(35.18,19.49) v1(35.31,13.78) v1(35.56,22.67) v1(35.94,46.16) v1(35.94,36.13) v1(36.33,52.26) v1(36.27,24.98) v1(36.71,23.81) v1(36.71,21.78) v1(36.83,9.71) v1(36.96,28.64) v1(37.09,36.38) v1(37.19,20.91) v1(37.34,34.61) v1(37.34,26.86) v1(38.23,42.48) v1(38.48,8.82) v1(38.61,52.26) v1(38.74,43.75) v1(38.81,24.98) v1(38.81,22.64) v1(38.81,21.73) v1(38.92,34.43) v1(38.92,25.89) v1(39.63,39.69) v1(39.75,45.02) v1(40.01,41.21) v1(40.14,38.42) v1(40.26,33.34) v1(40.26,29.14) v1(40.26,22.03) v1(40.64,21.4) v1(40.64,19.62) v1(40.64,18.86) v1(40.77,52.26) v1(40.9,23.43) v1(41.53,10.09) v1(41.66,41.64) v1(41.91,40.07) v1(42.07,17.46) v1(42.42,33.84) v1(42.47,46.01) v1(42.8,23.18) v1(42.8,19.49) v1(42.88,16.65) v1(43.31,52.26) v1(43.28,9.13) v1(43.69,43.75) v1(43.95,3.36) v1(44.71,41.59) v1(45.6,52.26) v1(46.23,4.76) v1(47.37,41.34) v1(48.26,4.89) v1(48.39,52.26) v1(48.64,33.46) v1(49.15,44.13) v1(49.15,16.44) v1(49.15,14.92) v1(49.15,10.09) v1(49.28,31.56) v1(49.28,26.81) v1(49.66,35.11) v1(49.79,23.43) v1(49.91,25.72) v1(50.3,46.31) v1(50.3,31.94) v1(50.55,22.03) v1(50.55,20.51) v1(50.93,52.26) v1(50.93,31.18) v1(51.11,12.08) v1(51.18,18.73) v1(51.31,33.46) v1(51.31,13.19) v1(51.44,15.81) v1(51.44,14.54) v1(51.57,25.59) v1(51.95,21.27) v1(51.95,19.11) v1(52.07,27.62) v1(52.45,36.13) v1(52.58,6.16) v1(52.71,7.68) v1(52.96,39.56) v1(53.14,34.73) v1(53.22,52.26) v1(53.47,17.84) v1(54.77,45.3) v1(54.99,27.11) v1(54.99,23.18) v1(55.07,19.49) v1(55.07,18.68) v1(55.07,11.87) v1(55.38,33.08) v1(55.5,23.68) v1(55.48,7.81) v1(55.63,34.61) v1(55.58,17.87) v1(55.63,15.56) v1(55.63,14.41) v1(55.68,9.03) v1(55.76,52.26) v1(55.76,13.52) v1(55.76,10.22) v1(56.14,20.64) v1(56.39,40.96) v1(56.52,37.91) v1(56.59,31.89) v1(56.65,6.28) v1(57.53,36.51) v1(57.92,20.38) v1(58.3,52.26) v1(58.42,38.8) v1(58.8,1.2) v1(59.31,18.48) v1(59.44,15.43) v1(59.69,17.21) v1(59.82,35.11) v1(59.95,32.19) v1(60.07,19.49) v1(60.33,30.92) v1(60.58,52.26) v1(60.84,8.95) v1(61.09,37.4) v1(61.09,3.74) v1(61.22,43.5) v1(61.47,2.6) v1(61.6,41.84) v1(61.73,50.1) v1(61.73,0.95) v1(62.08,10.86) v1(62.61,15.3) v1(62.74,18.22) v1(62.87,20) v1(63.38,33.08) v1(63.38,30.8) v1(63.5,45.91) v1(63.63,48.32) v1(63.76,41.97) v1(63.88,37.4) v1(63.88,3.87) v1(64.01,16.32) v1(64.14,15.05) v1(64.14,13.52) v1(64.14,12.25) v1(64.14,10.35) v2(25.15,26.73) v2(25.78,26.73) v2(26.42,28) v2(26.67,28.38) v2(27.33,22.95) v2(27.33,22.72) v2(27.82,21.35) v2(27.82,21.04) v2(28.11,32.32) v2(28.07,29.2) v2(28.07,21.35) v2(28.07,21.04) v2(28.42,29.4) v2(28.42,29) v2(28.45,27.37) v2(28.83,21.35) v2(28.83,21.04) v2(29.09,21.35) v2(29.09,21.04) v2(29.35,34.94) v2(29.35,34.53) v2(29.47,33.46) v2(29.47,33.21) v2(29.85,21.32) v2(29.85,21.02) v2(30.1,21.32) v2(30.1,21.02) v2(30.84,30.8) v2(30.86,33.46) v2(30.86,33.21) v2(30.86,23.02) v2(30.86,22.72) v2(31.12,23.02) v2(31.12,22.72) v2(31.19,30.6) v2(31.19,21.3) v2(31.19,20.99) v2(31.45,21.3) v2(31.45,20.99) v2(31.75,23.02) v2(31.75,22.72) v2(32.01,23.02) v2(32.01,22.72) v2(57.81,25.39) v3(25.66,23.81) v3(26.17,28.89) v3(26.17,26.35) v3(26.55,28.64) v3(27.05,29.02) v3(27.05,26.99) v3(27.44,31.43) v3(27.44,27.49) v3(27.69,31.94) v3(27.94,27.49) v3(28.11,32.32) v3(28.2,31.56) v3(28.2,31.05) v3(28.45,27.37) v3(29.47,33.46) v3(29.47,33.21) v3(29.47,30.03) v3(29.59,31.3) v3(29.59,29.78) v3(29.72,33.46) v3(29.72,33.21) v3(29.72,31.94) v3(29.72,29.53) v3(29.98,24.06) v3(29.98,23.43) v3(30.1,22.79) v3(30.48,31.94) v3(30.48,31.43) v3(30.48,24.7) v3(30.61,33.46) v3(30.61,33.21) v3(30.86,33.46) v3(30.86,33.21) v3(30.99,25.33) v3(30.99,21.78) v3(31.12,22.29) v3(31.25,34.22) v3(31.25,28) v3(31.37,27.49) v3(31.37,26.86) v3(31.37,22.92) v3(31.5,25.08) v3(31.5,22.29) v3(31.63,24.19) v3(32.13,30.92) v3(32.13,30.67) v3(32.13,26.35) v3(32.26,31.18) v3(32.26,26.99) v3(32.52,31.43) v3(32.9,31.68) v3(32.9,26.35) v3(33.28,30.16) v3(33.4,26.99) v3(33.66,31.94) v3(33.79,29.27) v3(33.91,26.99) v3(34.04,32.32) v3(34.55,31.94) v3(34.67,29.27) v3(34.93,26.99) v3(35.56,29.27) v3(57.81,25.39) v4(29.11,28.6) v4(57.55,26.59) v4(58.65,25.99) v4(59.41,27.19)
VDD5V: length 38
  L06_SIG w0.508: J17.4 12.2,24.95 14.61,22.54 14.61,15.17 17.02,12.76 25.15,12.76 34.23,3.69 J1.5
VDD5V_EXT: length 3.7
  BOTTOM w0.635: D21.C 15.15,31.69 J17.2
VDDIN: length 39.9
  TOP w0.508: C30.1 23.81,46.67 J14.1
  TOP w0.635: v1(22.74,43.24) 22.85,43.36 C30.1
  L03_SIG w0.508: J14.1 27.28,45.74 v1(33.61,45.74)
  L03_SIG w0.635: v1(22.74,43.24) 21.34,43.24 13.85,35.75 13.85,30.81 J17.3
  BOTTOM w0.457: J14.1 25.08,47.46 R40.2
  BOTTOM w0.508: R41.2 v1(33.61,45.74)
VDDIO: length 120.6
  TOP w0.203: U1.U11 28.42,31.08 28.2,31.3 ; 30.49,32.16 v1(30.86,32.53) ; 30.49,31.56 U1.U5 ; Y2.3 30.27,35.01 C27.1
  TOP w0.254: U8.2 19.56,28.34 C47.1
  TOP w0.381: R6.2 22.99,27.37 20.96,29.4 19.69,29.4 v1(19.43,29.14)
  TOP w0.483: v1(24.13,32.57) R3.1 R2.1 ; R4.1 v1(27.26,34.99) ; C27.1 v1(31.25,36)
  TOP w0.508: 28.2,31.3 27.82,31.3 27.26,31.86 C7.1 R5.1 R4.1 ; R6.2 23.45,26.56 23.12,26.22 23.12,22.16 26.6,18.68 27.87,18.68 28.76,17.78 R29.1 ; R37.1 18.12,17.25 13.97,21.4 7.12,21.4 6.48,20.76 J12.12 ; R29.1 28.86,17.03 28.86,16.44 29.67,15.63 29.67,5.27 26.94,2.54 J1.2 ; R29.1 R36.1
  TOP w0.635: v1(19.43,29.14) 19.39,29.1 C47.1
  L06_SIG w0.635: v1(24.13,32.57) 22.74,31.18 22.74,30.03 21.85,29.14 v1(19.43,29.14) 19.43,30.8 16.89,33.34 10.67,33.34 7.62,30.29 7.62,21.9 6.48,20.76 J12.12
  BOTTOM w0.483: v1(27.26,34.99) 26.55,34.99 v1(24.13,32.57) 25.15,31.56 30.36,31.56 30.86,32.07 v1(30.86,32.53) 30.86,35.62 v1(31.25,36)
ACK: length 2
  BOTTOM w0.229: R47.1 22.33,21.63 U7.24
AIF1BCLK: length 26.9
  TOP w0.127: v1(7.37,31.81) 7.37,32.95 7.75,33.34 26.11,33.34 26.55,32.9 26.55,31.89 27.64,30.8 U1.T12
  BOTTOM w0.127: J12.4 D19.2 6.66,31.64 6.84,31.81 v1(7.37,31.81)
AIF1LRCLK: length 26
  TOP w0.127: v1(22.99,32.88) 22.79,33.08 8.26,33.08 v1(7.88,32.7)
  L02_SIG w0.127: v2(28.42,30.6) 27.63,30.6 26.8,31.43 26.8,32.37 26.09,33.08 23.19,33.08 v1(22.99,32.88)
  BOTTOM w0.127: J12.2 D20.2 6.66,32.95 6.96,32.65 7.83,32.65 v1(7.88,32.7)
AIF1RXDAT: length 27.7
  L03_SIG w0.127: v3(28.76,30.4) 28.05,30.4 27.66,30.01 18.9,30.01 12.53,23.63 v1(9.86,23.63)
  BOTTOM w0.127: v1(9.86,23.63) 8.39,25.11 7.02,25.11 6.66,25.46 D17.2 J12.8
AIF1TXDAT: length 34.2
  TOP w0.127: v1(6.48,29.27) 6.48,33.34 8.89,35.75 27.44,35.75 28.76,34.42 U1.T10
  BOTTOM w0.127: v1(6.48,29.27) 6.48,29.14 6.66,28.96 D18.2 J12.6
CIF2SCLK: length 13.3
  TOP w0.127: U8.3 19.06,27.85 18.77,28.13 18.77,29.55 20.91,31.68 v1(21.21,31.68) ; v3(25.9,31.68) 26.34,31.68 27.63,30.4 U1.P12
  L03_SIG w0.127: v1(21.21,31.68) v3(25.9,31.68)
CIF2SDA: length 15.4
  TOP w0.127: U8.4 18.56,27.65 18.42,27.78 18.42,29.63 21.09,32.29 v1(22.23,32.29)
  L02_SIG w0.127: v2(28.42,30.2) 27.6,30.2 26.42,31.38 26.42,32.06 v3(25.9,32.57)
  L03_SIG w0.127: v3(25.9,32.57) 25.4,32.07 22.46,32.07 v1(22.23,32.29)
CLOCK: length 14.4
  TOP w0.127: U8.6 19.06,23.55 v1(19.18,23.43)
  BOTTOM w0.127: U7.12 16.42,18.19 15.37,19.24 14.86,19.24 14.23,19.87 14.23,22.79 15.75,24.32 18.29,24.32 v1(19.18,23.43) R45.2
CODEC_1V2: length 54
  TOP w0.203: U1.U7 29.8,32.2 v1(29.47,32.53)
  TOP w0.381: v1(26.93,20.38) 26.97,20.34 C2.1
  TOP w0.483: R1.2 v1(24.34,30.54)
  L02_SIG w0.203: v2(29.8,28.2) 29.8,27.07 28.88,26.15 28.2,26.15
  L02_SIG w0.381: v2(27.82,20.46) 27.71,20.46 27.31,20.86 27.31,21.7 27.94,22.34 27.94,23.94 27.56,24.32 27.56,25.72 27.99,26.15 28.2,26.15
  L06_SIG w0.381: v1(29.47,32.53) 27.52,32.53 25.53,30.54 v1(24.34,30.54) 24.34,29.45 24.51,29.27 24.51,27.49 26.93,25.08 v1(26.93,20.38)
  BOTTOM w0.508: J15.1 41.66,47.88 41.66,44.51 34.93,37.78 29.85,37.78 29.47,37.4 v1(29.47,32.53)
  vias: v2(27.82,20.2)
